# Altium PCB DC Battery Capacity Tester V1.2.PcbDoc (part 2 of 2)
Units mm, origin at the board's own origin, x right, y up, seen from the top; angles counter-clockwise.
Board outline 180.24 x 170.15 mm, 4 copper layers (SIG1, GND, PWR, SIG2), stack 1.746 mm thick; 140 components, 125 nets, 557 pads, 492 vias.
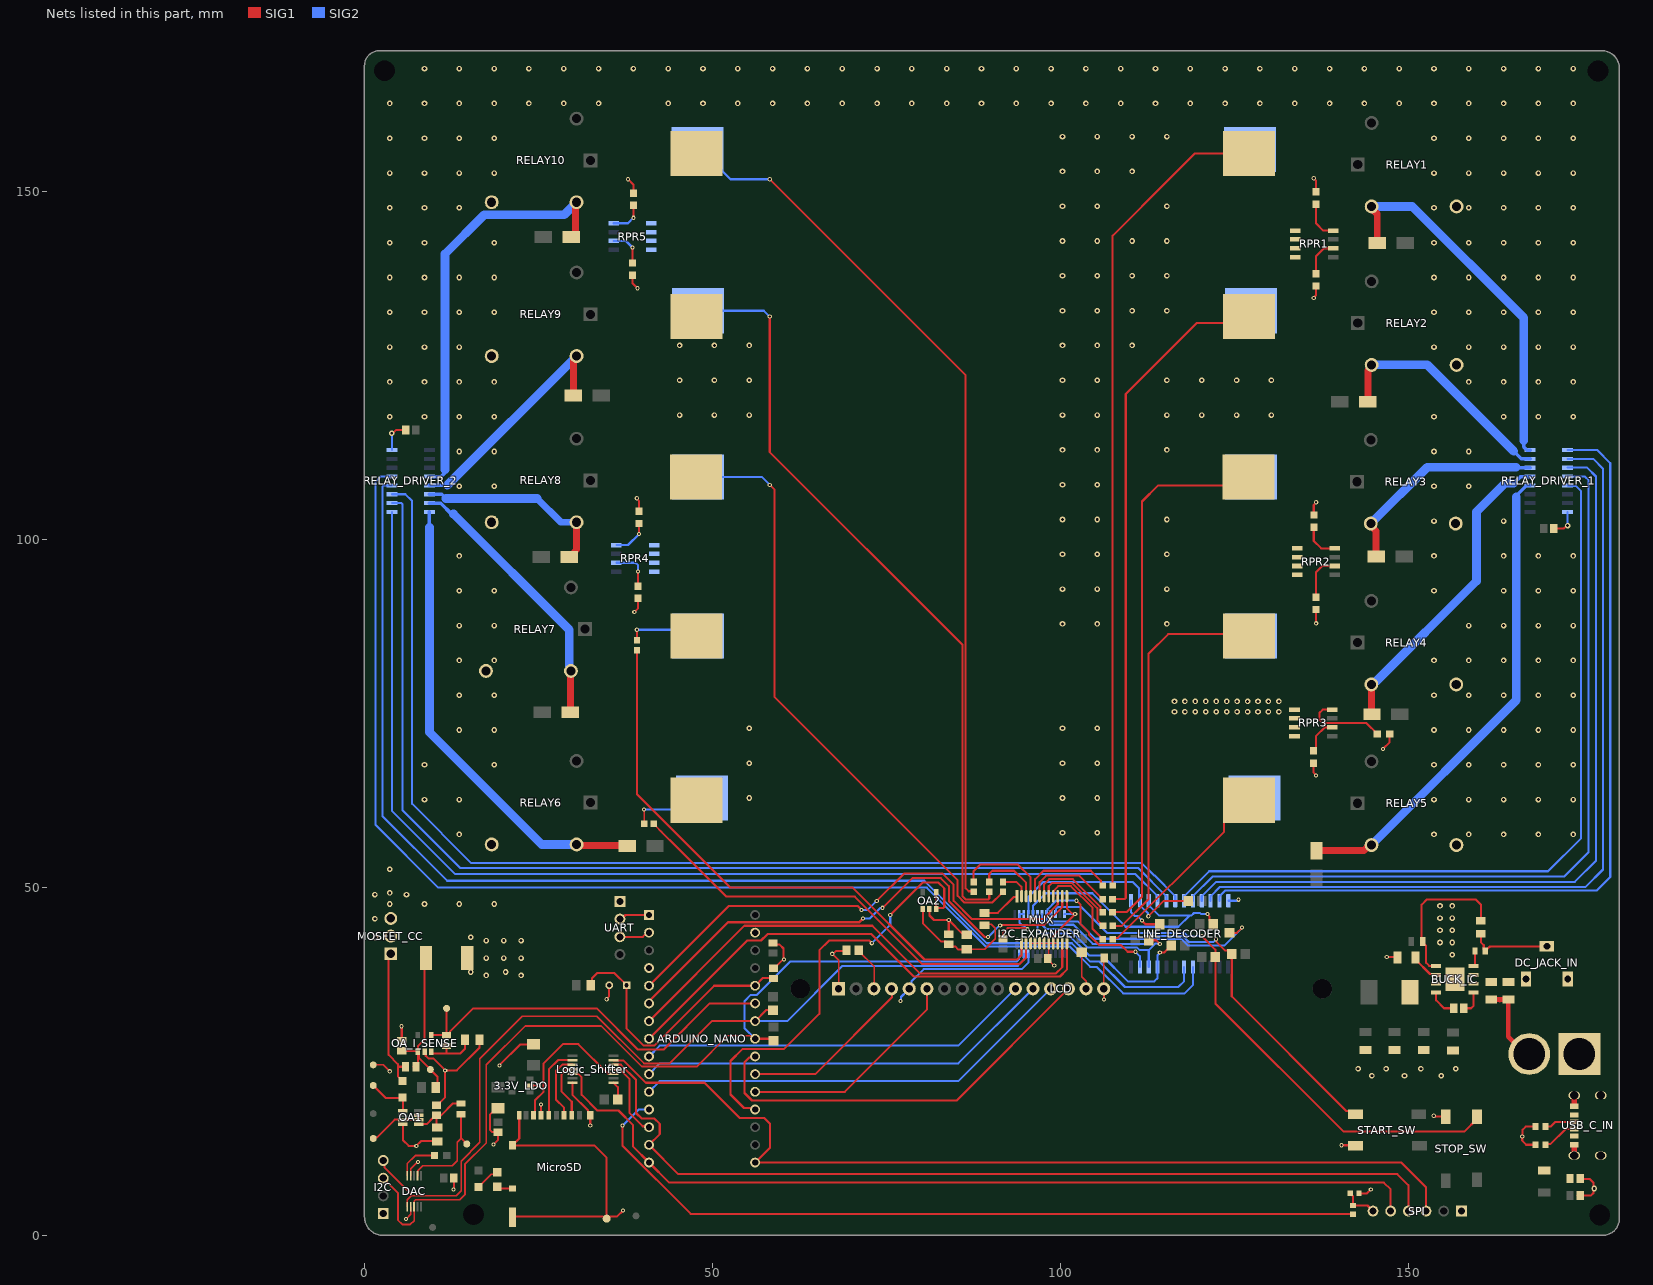
[diagram p4: the nets of this part, all layers, seen from the top]

## Via types
v1: diameter 0.8, hole 0.4, SIG1 to SIG2, 396 vias
v2: diameter 0.6, hole 0.3, SIG1 to SIG2, 87 vias
v3: diameter 1.27, hole 0.711, SIG1 to SIG2, 9 vias

## Nets (pads, with @x,y where several pads share a name; then routed paths per layer and width w, separated by ;. In a path a pad name is that pad's centre, name@x,y a point inside that pad or via, vN(x,y) a via of type N, cw(c..) or ccw(c..) an arc to the next point about the centre after c; other vN are vias at no path point) (continued)
GND: 3.3V_LDO.2 ARDUINO_NANO.4 ARDUINO_NANO.29 BUCK_IC.7 BUCK_IC.9 C1.1 C2.1 C4.2 C5.2 C6.2 C7.2 C8.2 C9.2 C10.2 C11.2 C12.1 C14.2 C15.2 C16.2 C17.2 C18.1 C19.1 C20.1 C21.1 C22.1 C23.2 C24.1 C25.1 CELL1.1 CELL2.1 CELL3.1 CELL4.1 CELL5.1 CELL6.1 CELL7.1 CELL8.1 CELL9.1 CELL10.1 DAC.4 DAC.7 DC_JACK_IN.2 DC_JACK_IN.3 I2C.1 I2C_EXPANDER.2 I2C_EXPANDER.3 I2C_EXPANDER.12 I2C_EXPANDER.21 LCD.1 LCD.5 LCD.16 LINE_DECODER.12 Logic_Shifter.7 MicroSD.6 MicroSD.9 MicroSD.11 MicroSD.12 MicroSD.13 MicroSD.14 MUX.12 MUX.15 MUX.16 MUX.17 MUX.18 MUX.19 MUX.20 MUX.21 NTC.2 OA1.4 OA2.2 OA_I_SENSE.2 pad.GND R2.1 R3.1 R4.1 R9.1 R11.1 R17.1 R18.2 R20.1 R22.2 R23.2 R24.2 R25.2 R26.2 R27.2 R28.2 R29.2 R30.2 R31.2 R43.1 RELAY_DRIVER_1.8 RELAY_DRIVER_2.8 SHUNT.2 SPI.1 START_SW.3 STOP_SW.3 UART.1 USB_C_IN.1 USB_C_IN.2 USB_C_IN.3 USB_C_IN.4 USB_C_IN.A12 USB_C_IN.B12 XT60.N | length 259.8
  SIG1 w0.25: pad.GND@1.257,24.482 2.698,24.482 v2(3.623,23.556) ; v2(5.982,2.339) 6.642,2.999 DAC.7@6.642,4.109 ; DAC.4@6.642,8.541 6.652,8.552 6.652,9.536 v2(7.663,10.547) ; LCD.1@68.127,35.414 68.127,39.492 v2(67.187,40.432) 67.282,40.432 67.674,40.825 69.142,40.825 R2.1@69.246,40.928 ; C12.1@91.712,42.578 91.712,43.471 92.37,44.129 94.97,44.129 95.145,43.954 v2(95.24,43.954) ; MUX.21@95.682,41.956 MUX.20@96.332,41.956 MUX.19@96.982,41.956 MUX.18@97.632,41.956 MUX.17@98.282,41.956 ; v2(99.079,38.757) 99.026,38.757 98.15,39.633 C18.1@98.15,39.758 98.282,39.891 MUX.17@98.282,41.956 ; MUX.15@99.582,41.956 MUX.16@98.932,41.956 MUX.17@98.282,41.956 ; LCD.16@106.186,35.414 106.186,39.751 C23.2@106.275,39.84
  SIG1 w0.3: v1(3.929,115.197) 4.065,115.197 4.565,115.697 C19.1@5.904,115.697 ; v2(5.312,30.024) 5.348,29.988 C16.2@5.348,27.982 ; OA1.4@5.508,15.97 5.508,13.686 6.345,12.849 v2(7.442,12.849) ; v2@7.404,12.81 v2(7.442,12.849) ; OA_I_SENSE.2@8.625,26.382 8.8,26.207 8.8,25.781 9.168,25.413 9.856,25.413 v2(11.588,23.682) ; C17.2@10.323,18.699 10.448,18.699 11.588,19.838 v2(11.588,23.682) ; R17.1@10.461,13.552 8.145,13.552 v2(7.442,12.849) ; v2(12.763,6.598) 12.763,6.652 12.838,6.727 C15.2@12.838,8.217 ; R18.2@16.495,28.082 16.495,26.913 13.264,23.682 v2(11.588,23.682) ; v2(18.514,13.025) 19.164,13.675 C20.1@19.164,14.807 19.146,14.825 18.364,14.825 18.014,15.175 18.014,17.299 18.964,18.249 C21.1@19.164,18.249 ; v2(19.383,24.409) 22.405,27.432 C22.1@24.275,27.432 ; MicroSD.13@21.275,2.575 21.375,2.675 34.275,2.675 34.561,2.389 MicroSD.14@34.789,2.389 ; MicroSD.12@21.275,12.925 32.977,12.925 34.789,11.114 MicroSD.14@34.789,2.389 ; MicroSD.12@21.275,13.025 21.625,13.375 21.687,13.375 22.225,13.913 MicroSD.9@22.225,17.225 ; 3.3V_LDO.2@23.787,21.51 23.804,21.526 25.009,21.526 v2(25.025,21.542) ; v2(25.342,18.775) 25.358,18.758 25.358,17.242 MicroSD.6@25.375,17.225 ; Logic_Shifter.7@29.865,21.909 29.865,20.209 32.075,17.999 32.075,17.575 MicroSD.11@32.425,17.225 ; v2(32.425,15.761) MicroSD.11@32.425,17.125 ; v2(34.789,33.904) 34.789,33.958 35.15,34.319 NTC.2@35.15,35.922 ; v2(37.143,3.561) 36.257,2.675 35.075,2.675 MicroSD.14@34.789,2.389 ; v2(37.871,151.689) 38.623,150.937 R22.2@38.623,149.709 ; R27.2@38.503,137.905 38.503,136.757 v2(39.218,136.042) ; v2(38.76,89.51) 39.296,90.045 R30.2@39.296,91.487 ; v2(39.116,105.867) 39.116,105.786 39.446,105.456 R24.2@39.446,104.006 ; C24.1@58.701,41.998 58.938,41.762 59.625,41.762 60.193,41.194 60.193,39.68 v2(60.249,39.624) 60.191,39.567 60.064,39.567 58.846,38.349 C25.1@58.721,38.349 ; OA2.2@81.153,46.858 81.153,45.933 81.798,45.288 v2(83.922,45.288) ; C4.2@83.922,43.29 v2(83.922,45.288) ; R11.1@85.949,43.261 v2(83.922,45.288) ; MUX.16@98.932,41.956 98.954,41.978 98.954,43.021 v2(102.087,46.154) 102.033,46.208 101.68,46.208 100.882,47.005 MUX.12@100.882,48.707 ; v2(106.227,33.851) LCD.16@106.227,35.414 ; R28.2@136.296,67.831 136.296,66.488 136.677,66.107 v2(136.677,66.053) ; v2(136.347,134.63) 136.347,134.684 136.677,135.014 R31.2@136.677,136.36 ; v2(136.347,151.841) 136.347,151.787 136.677,151.457 R26.2@136.677,149.873 ; R25.2@136.357,103.462 136.357,104.898 136.703,105.244 v2(136.703,105.298) ; R29.2@136.677,89.891 136.703,89.866 v2(136.703,87.909) ; v2(140.336,12.932) 142.285,12.932 START_SW.3@142.343,12.873 ; R43.1@142.867,6.02 143.999,6.02 v2(144.549,6.57) ; v2(146.304,69.875) 147.244,70.815 R23.2@147.244,72.029 ; v2(146.837,39.954) 148.366,39.954 C5.2@148.391,39.929 ; v2(153.594,17.17) 153.648,17.17 153.764,17.055 STOP_SW.3@155.311,17.055 ; R9.1@160.35,43.37 160.35,42.093 160.773,41.671 160.773,41.047 R20.1@160.998,40.822 ; R20.1@160.998,40.947 161.223,41.172 161.348,41.172 161.666,41.49 DC_JACK_IN.3@169.84,41.49 ; v2(166.298,14.215) 166.298,13.588 166.881,13.005 R4.1@168.181,13.005 ; v2@166.356,14.215 166.356,15.159 166.796,15.599 168.156,15.599 R3.1@168.181,15.623 ; C14.2@170.846,101.535 172.276,101.535 172.686,101.945 v1(172.821,101.945) ; C2.1@174.226,5.74 C2.1@174.613,5.74 176.194,5.74 176.535,6.081 176.535,6.622 v1(176.631,6.718) 176.535,6.814 176.535,7.55 175.969,8.116 174.665,8.116 C1.1@174.638,8.144
  SIG1 w0.7: C10.2@161.851,33.865 163.124,33.865 ; 163.073,33.815 163.124,33.865 ; XT60.N@167.31,26.045 166.796,26.045 164.301,28.54 C11.2@164.301,33.865 163.124,33.865
  SIG1 w0.75: USB_C_IN.2@173.781,11.453 USB_C_IN.A12@173.781,13.023 ; USB_C_IN.B12@173.781,18.51 USB_C_IN.B12@173.781,18.523 USB_C_IN.1@173.781,20.093
  SIG2 w0.3: RELAY_DRIVER_2.8@3.929,112.801 v1(3.929,115.197) ; v2@39.116,105.813 v2(39.116,105.867) ; v2(77.013,33.635) 77.07,33.693 77.07,34.238 77.943,35.111 LCD.5@77.943,35.55 ; LCD.5@78.246,35.414 78.548,35.716 78.548,36.462 80.323,38.238 94.422,38.238 95.357,39.172 I2C_EXPANDER.21@95.357,40.458 ; I2C_EXPANDER.3@94.707,46.158 I2C_EXPANDER.2@94.057,46.158 94.057,44.931 94.517,44.471 94.697,44.471 95.214,43.954 v2(95.24,43.954) ; I2C_EXPANDER.12@100.557,46.158 100.562,46.154 v2(102.087,46.154) ; LINE_DECODER.12@124.079,48.058 125.32,48.058 125.471,48.209 v2(125.552,48.209) ; v1(172.821,101.945) RELAY_DRIVER_1.8@172.821,103.911
  other v1: 144.707,22.933 149.39,22.933 154.663,22.933 142.726,23.924 146.747,23.924 151.747,23.924 156.747,23.924 17.491,37.327 22.491,37.327 15.264,37.82 20.264,37.82 17.491,39.827 19.991,39.827 22.491,39.827 156.234,40.311 154.484,42.061 156.234,42.061 17.491,42.327 19.991,42.327 22.491,42.327 15.264,42.82 154.484,43.811 156.234,43.811 154.484,45.561 156.234,45.561 154.484,47.311 156.234,47.311 100.264,57.82 105.264,57.82 55.264,62.82 100.264,62.82 105.264,62.82 55.264,67.82 100.264,67.82 105.264,67.82 55.264,72.82 100.264,72.82 105.264,72.82 100.264,87.82 105.264,87.82 115.264,87.82 100.264,92.82 105.264,92.82 115.264,92.82 100.264,97.82 105.264,97.82 115.264,97.82 100.264,102.82 105.264,102.82 115.264,102.82 100.264,107.82 105.264,107.82 100.264,112.82 105.264,112.82 115.264,112.82 45.264,117.82 50.264,117.82 55.264,117.82 100.264,117.82 105.264,117.82 115.264,117.82 120.264,117.82 125.264,117.82 130.264,117.82 45.264,122.82 50.264,122.82 55.264,122.82 100.264,122.82 105.264,122.82 115.264,122.82 120.264,122.82 125.264,122.82 130.264,122.82 45.264,127.82 50.264,127.82 55.264,127.82 100.264,127.82 105.264,127.82 110.264,127.82 100.264,132.82 105.264,132.82 110.264,132.82 115.264,132.82 100.264,137.82 105.264,137.82 110.264,137.82 115.264,137.82 100.264,142.82 105.264,142.82 110.264,142.82 115.264,142.82 100.264,147.82 105.264,147.82 115.264,147.82 100.264,152.82 105.264,152.82 110.264,152.82 100.264,157.82 105.264,157.82 110.264,157.82 115.264,157.82
I2C_SCL: ARDUINO_NANO.24 DAC.6 I2C.4 I2C_EXPANDER.22 R8.1 | length 129.9
  SIG1 w0.25: I2C.4@2.692,10.744 2.863,10.573 2.863,9.769 6.722,5.91 6.722,5.694 ; DAC.6@6.142,4.109 6.152,4.119 6.152,5.124 6.722,5.694 ; ARDUINO_NANO.24@56.109,30.772 49.9,30.772 43.823,24.695 40.141,24.695 33.357,31.479 22.686,31.479 16.572,25.366 16.572,13.34 13.888,10.656 13.888,6.377 13.204,5.694 6.722,5.694
  SIG1 w0.3: ARDUINO_NANO.24@56.109,30.772 57.674,32.337 R8.1@58.701,32.337
  SIG2 w0.3: ARDUINO_NANO.24@56.109,30.772 60.739,30.772 68.667,38.701 93.831,38.701 94.707,39.577 I2C_EXPANDER.22@94.707,40.458
I2C_SDA: ARDUINO_NANO.23 DAC.8 I2C.3 I2C_EXPANDER.23 R5.1 | length 137
  SIG1 w0.25: I2C.3@2.692,8.204 4.797,6.1 4.797,2.206 5.439,1.564 6.585,1.564 7.132,2.111 7.132,4.099 DAC.8@7.142,4.109 7.152,4.119 7.152,4.929 7.346,5.124 13.698,5.124 14.426,5.851 14.426,10.187 17.491,13.252 17.491,24.479 23.078,30.065 34.021,30.065 39.855,24.232 47.701,24.232 52.145,28.675 55.376,28.675 55.819,28.232 ARDUINO_NANO.23@56.109,28.232
  SIG1 w0.3: ARDUINO_NANO.23@56.109,28.232 58.667,28.232 58.721,28.286 R5.1@58.826,28.286
  SIG2 w0.3: ARDUINO_NANO.23@56.109,28.232 54.585,29.756 54.585,33.635 55.493,34.544 56.379,34.544 61.173,39.338 87.658,39.338 87.677,39.318 89.217,39.318 89.236,39.338 93.651,39.338 93.826,39.513 93.831,39.513 94.007,39.688 94.007,40.408 I2C_EXPANDER.23@94.057,40.458
I_SENSE: "pad.TP_I SENSE" ARDUINO_NANO.25 OA_I_SENSE.4 R16.1 | length 57.3
  SIG1 w0.3: OA_I_SENSE.4@9.575,28.782 R16.1@11.763,28.782 ; 11.794,32.605 11.794,28.813 R16.1@11.763,28.782 ; ARDUINO_NANO.25@56.109,33.312 49.619,33.312 42.989,26.682 41.289,26.682 41.282,26.689 40.456,26.689 40.448,26.682 39.266,26.682 33.342,32.605 15.618,32.605 12.268,29.255 12.268,29.036 12.013,28.782 R16.1@11.763,28.782
I_SENSE_RAW: "pad.TP_I SENSE RAW" C13.2 C16.1 MOSFET_CC.3 OA_I_SENSE.1 R15.2 SHUNT.1 | length 25.1
  SIG1 w0.3: C16.1@5.348,26.482 7.575,26.482 OA_I_SENSE.1@7.675,26.382 ; C13.2@7.042,24.21 7.675,24.844 OA_I_SENSE.1@7.675,26.382 ; SHUNT.1@8.819,39.827 8.59,39.599 8.59,28.046 7.675,27.132 OA_I_SENSE.1@7.675,26.382 ; R15.2@10.488,21.213 10.488,22.775 7.85,25.413 7.85,26.207 OA_I_SENSE.1@7.675,26.382
I_SET: "pad.TP_I SET" OA1.3 OA1.6 OA1.7 | length 8.3
  SIG1 w0.3: 1.257,13.9 1.391,14.034 1.754,14.034 4.339,16.62 OA1.3@5.508,16.62 OA1.6@7.808,16.62 OA1.7@7.808,17.27
LCD_D4: ARDUINO_NANO.9 LCD.11 | length 56.6
  SIG2 w0.3: ARDUINO_NANO.9@40.869,25.692 42.412,27.235 85.307,27.235 LCD.11@93.486,35.414
LCD_D5: ARDUINO_NANO.10 LCD.12 | length 60.2
  SIG2 w0.3: ARDUINO_NANO.10@40.869,23.152 42.412,24.695 85.307,24.695 LCD.12@96.026,35.414
LCD_D6: ARDUINO_NANO.11 LCD.13 | length 63.8
  SIG2 w0.3: ARDUINO_NANO.11@40.869,20.612 42.412,22.155 85.307,22.155 LCD.13@98.566,35.414
LCD_D7: ARDUINO_NANO.22 LCD.14 | length 59.9
  SIG1 w0.3: ARDUINO_NANO.22@56.109,25.692 55.945,25.528 55.236,25.528 54.585,24.876 54.585,20.432 55.657,19.36 85.052,19.36 LCD.14@101.106,35.414
LCD_E: ARDUINO_NANO.20 LCD.6 | length 32.6
  SIG1 w0.3: ARDUINO_NANO.20@56.109,20.612 68.993,20.612 80.827,32.446 LCD.6@80.827,35.414
LCD_RS: ARDUINO_NANO.21 LCD.4 | length 25.4
  SIG1 w0.3: ARDUINO_NANO.21@56.109,23.152 64.732,23.152 75.747,34.167 LCD.4@75.747,35.414
LD_ADR1: I2C_EXPANDER.4 LINE_DECODER.2 RPU1.1 | length 30.8
  SIG1 w0.3: v2(112.59,45.828) 114.805,48.044 RPU1.1@118.324,48.044
  SIG2 w0.3: I2C_EXPANDER.4@95.357,46.158 95.357,48.602 97.53,50.775 110.312,50.775 111.276,49.811 111.276,48.162 LINE_DECODER.2@111.379,48.058 111.379,47.408 112.551,46.236 112.551,45.867 v2(112.59,45.828)
LD_ADR2: I2C_EXPANDER.5 LINE_DECODER.3 RPU2.1 | length 38.8
  SIG1 w0.3: v2(121.095,46.134) 121.095,46.052 121.399,45.749 121.399,45.204 RPU2.1@121.924,44.679
  SIG2 w0.3: I2C_EXPANDER.5@96.007,46.158 96.007,47.299 97.848,49.139 104.532,49.139 109.348,44.323 116.909,44.323 118.509,45.923 ; LINE_DECODER.3@112.649,48.058 112.649,47.408 114.134,45.923 118.509,45.923 ; v2(121.095,46.134) 120.167,46.134 120.002,46.298 119.155,46.298 118.78,45.923 118.509,45.923
LD_ADR3: I2C_EXPANDER.6 LINE_DECODER.21 RPU3.1 | length 28.6
  SIG1 w0.3: v2(114.244,40.603) 114.844,40.603 115.319,41.078 115.369,41.078 115.894,41.603 RPU3.1@115.894,41.653
  SIG2 w0.3: I2C_EXPANDER.6@96.657,46.158 96.657,43.983 97.307,43.333 100.956,43.333 104.106,40.183 105.943,40.183 109.645,36.481 113.436,36.481 113.919,36.964 LINE_DECODER.21@113.919,38.558 113.919,40.224 114.244,40.549 v2(114.244,40.603)
LD_ADR4: I2C_EXPANDER.7 LINE_DECODER.22 RPU4.1 | length 24.6
  SIG1 w0.3: RPU4.1@112.649,42.378 113.719,42.378 v2(114.244,41.853)
  SIG2 w0.3: I2C_EXPANDER.7@97.307,46.158 97.307,44.642 97.966,43.983 101.232,43.983 103.9,41.315 110.984,41.315 111.338,40.962 112.649,40.962 ; LINE_DECODER.22@112.649,38.558 112.649,40.962 ; v2(114.244,41.853) 114.206,41.892 113.579,41.892 112.649,40.962
MicroSD_CS: ARDUINO_NANO.13 Logic_Shifter.11 | length 11.4
  SIG1 w0.3: Logic_Shifter.11@35.765,23.859 35.774,23.85 36.672,23.85 38.081,22.441 38.081,17.542 39.962,15.662 40.739,15.662 ARDUINO_NANO.13@40.869,15.532
MOS_G: "pad.TP_MOS G" OA1.1 R13.2 | length 6.9
  SIG1 w0.3: 1.257,21.51 3.018,19.749 5.37,19.749 R13.2@5.439,19.819 5.508,19.75 OA1.1@5.508,17.92
MOSFET_Temp: ARDUINO_NANO.26 C25.2 NTC.1 R1.1 | length 39.5
  SIG1 w0.3: R1.1@32.522,35.922 32.676,36.076 32.676,36.946 33.415,37.685 35.887,37.685 NTC.1@37.65,35.922 37.65,29.68 40.095,27.235 41.612,27.235 50.229,35.852 ARDUINO_NANO.26@56.109,35.852 57.211,36.955 58.665,36.955 C25.2@58.721,36.899
MUX_ADR0: ARDUINO_NANO.5 MUX.10 | length 71.9
  SIG1 w0.3: ARDUINO_NANO.5@40.869,35.852 52.321,47.305 70.833,47.305 v2(71.394,46.744) ; v2(73.584,48.031) 77.497,51.944 83.035,51.944 84.621,50.358 84.621,48.061 87.25,45.432 97.477,45.432 99.582,47.538 MUX.10@99.582,48.707
  SIG2 w0.3: v2(71.394,46.744) 72.296,46.744 v2(73.584,48.031)
MUX_ADR1: ARDUINO_NANO.6 MUX.11 | length 75.6
  SIG1 w0.3: ARDUINO_NANO.6@40.869,33.312 40.869,33.614 41.228,33.973 41.228,33.989 52.21,44.971 71.095,44.971 71.095,45 v2(71.607,45.512) ; v2(74.422,47.041) 78.689,51.308 82.778,51.308 83.936,50.15 83.936,48.023 89.112,42.847 v2(89.562,42.847) ; v2(91.312,44.522) 91.334,44.544 97.634,44.544 100.232,47.142 MUX.11@100.232,49.178
  SIG2 w0.3: v2(71.607,45.512) 72.567,45.512 74.064,47.009 74.39,47.009 v2(74.422,47.041) ; v2(89.562,42.847) 89.6,42.847 91.274,44.522 v2(91.312,44.522)
MUX_ADR2: ARDUINO_NANO.7 MUX.14 | length 71.7
  SIG1 w0.3: ARDUINO_NANO.7@40.869,30.772 54.566,44.469 72.93,44.469 79.775,37.624 99.333,37.624 100.232,38.523 MUX.14@100.232,41.956
MUX_ADR3: ARDUINO_NANO.8 MUX.13 | length 73
  SIG1 w0.3: ARDUINO_NANO.8@40.869,28.232 54.976,42.34 56.957,42.34 57.882,43.265 72.826,43.265 78.907,37.184 99.902,37.184 100.882,38.164 MUX.13@100.882,41.956
MUX_OUT: ARDUINO_NANO.19 OA2.3 OA2.4 | length 63.4
  SIG1 w0.3: ARDUINO_NANO.19@56.109,18.072 55.895,18.285 54.511,18.285 52.572,20.225 52.572,25.033 54.272,26.733 60.243,26.733 65.329,31.819 65.329,40.919 66.749,42.34 72.494,42.34 v2(72.873,41.961) ; v2(75.514,46.012) 80.175,50.673 82.436,50.673 83.272,49.837 83.272,47.186 83.096,47.01 82.103,47.01 OA2.4@82.103,49.126
  SIG2 w0.3: v2(72.873,41.961) 75.514,44.602 v2(75.514,46.012)
NetBUCK_IC_1: BUCK_IC.1 C3.2 | length 3.4
  SIG1 w0.3: C3.2@157.907,32.614 158.937,32.614 159.311,32.988 BUCK_IC.1@159.311,34.869
NetBUCK_IC_4: BUCK_IC.4 R20.2 | length 2.3
  SIG1 w0.3: BUCK_IC.4@159.311,38.679 159.368,38.679 159.498,38.808 R20.2@159.498,40.822
NetBUCK_IC_5: BUCK_IC.5 R6.1 R9.2 | length 21.7
  SIG1 w0.3: BUCK_IC.5@153.926,38.679 153.906,38.699 152.941,38.699 152.496,39.144 152.496,41.55 151.846,42.2 151.846,47.479 152.602,48.235 159.634,48.235 160.35,47.518 R9.2@160.35,45.124
NetBUCK_IC_6: BUCK_IC.6 C5.1 | length 4.2
  SIG1 w0.3: C5.1@150.943,39.929 150.943,39.653 153.057,37.538 153.797,37.538 BUCK_IC.6@153.926,37.409
NetBUCK_IC_8: BUCK_IC.8 C3.1 L1.1 | length 4.1
  SIG1 w0.3: BUCK_IC.8@153.926,34.869 153.926,33.744 155.055,32.614 C3.1@156.457,32.614
NetC1_2: C1.2 FB1.2 USB_C_IN.A9 USB_C_IN.B9
NetC4_1: C4.1 OA2.1 R10.1 R11.2 | length 18
  SIG1 w0.25: R11.2@86.506,41.087 89.108,41.087 90.605,42.584 90.605,44.09 90.003,44.693 89.207,44.693 R10.1@89.07,44.556
  SIG1 w0.3: OA2.1@80.203,46.858 80.203,44.845 82.858,42.19 83.547,42.19 84.224,41.513 84.831,41.513 85.306,41.037 R11.2@86.506,41.037
NetC13_1: C13.1 MOSFET_CC.1 R13.1 | length 20.7
  SIG1 w0.3: MOSFET_CC.1@3.778,40.438 3.46,40.119 3.46,25.912 4.786,24.585 4.786,24.21 ; R13.1@5.439,22.169 4.786,22.822 4.786,24.21 ; C13.1@6.242,24.21 4.786,24.21
NetC17_1: C17.1 OA1.5 R14.1 R17.2 | length 9.1
  SIG1 w0.3: OA1.5@7.808,15.97 8.944,15.97 9.823,16.849 9.823,16.874 10.198,17.249 C17.1@10.323,17.249 ; R17.2@10.461,15.487 10.323,15.625 C17.1@10.323,17.249 ; R14.1@13.888,18.93 12.679,18.93 10.998,17.249 C17.1@10.323,17.249
NetCELL1_2: CELL1.2 R36.1 RPR1.5 RPR1.6 | length 117.9
  SIG1 w0.3: R36.1@107.469,50.251 107.469,143.604 115.782,151.917 119.256,155.392 CELL1.2@127.087,155.392
NetCELL2_2: CELL2.2 R35.1 RPR1.7 RPR1.8 | length 96.7
  SIG1 w0.3: R35.1@107.444,48.287 109.171,48.287 109.347,48.463 109.347,120.853 119.516,131.022 126.143,131.022 CELL2.2@127.087,131.966
NetCELL3_2: CELL3.2 R34.1 RPR2.5 RPR2.6 | length 78.6
  SIG1 w0.3: R34.1@107.469,46.464 109.532,46.464 111.674,48.606 111.674,105.4 113.995,107.721 125.754,107.721 CELL3.2@126.96,108.928
NetCELL4_2: CELL4.2 R33.1 RPR2.7 RPR2.8 | length 57.7
  SIG1 w0.3: R33.1@107.479,44.454 108.782,44.454 112.615,48.287 112.615,83.532 115.446,86.363 126.74,86.363 CELL4.2@127.036,86.068
NetCELL5_2: CELL5.2 R32.1 RPR3.7 RPR3.8 | length 28.7
  SIG1 w0.3: R32.1@107.469,42.518 107.666,42.715 108.222,42.715 123.478,57.971 123.478,59.408 126.566,62.497 CELL5.2@127.061,62.497
NetCELL6_2: CELL6.2 R41.1 RPR3.5 RPR3.6 | length 11
  SIG1 w0.25: R41.1@40.167,59.131 v2(40.167,61.143)
  SIG2 w0.3: v2(40.167,61.143) 46.83,61.143 CELL6.2@48.501,62.814
  other v1: 116.347,75.189 117.847,75.189 119.347,75.189 120.847,75.189 122.347,75.189 123.847,75.189 125.347,75.189 126.847,75.189 128.347,75.189 129.847,75.189 131.347,75.189 116.347,76.689 117.847,76.689 119.347,76.689 120.847,76.689 122.347,76.689 123.847,76.689 125.347,76.689 126.847,76.689 128.347,76.689 129.847,76.689 131.347,76.689
NetCELL7_2: CELL7.2 R40.1 RPR4.7 RPR4.8 | length 10.7
  SIG1 w0.3: v2(39.116,86.978) 39.116,85.487 R40.1@39.141,85.462
  SIG2 w0.3: v2(39.116,86.978) 47.019,86.978 CELL7.2@47.931,86.066
NetCELL8_2: CELL8.2 R39.1 RPR4.5 RPR4.6 | length 88.5
  SIG1 w0.3: v2(58.217,107.798) 58.903,107.112 58.903,77.296 85.208,50.99 85.208,48.757 86.162,47.803 90.179,47.803 91.383,49.007 91.406,49.007 91.712,49.313 R39.1@91.712,49.336
  SIG2 w0.3: CELL8.2@47.931,108.951 57.063,108.951 v2(58.217,107.798)
NetCELL9_2: CELL9.2 R38.1 RPR5.7 RPR5.8 | length 110.4
  SIG1 w0.3: v2(58.217,131.966) 58.217,112.497 85.907,84.807 85.907,48.681 86.344,48.243 89.562,48.243 89.738,48.419 R38.1@89.738,49.336
  SIG2 w0.3: CELL9.2@47.931,132.806 57.376,132.806 v2(58.217,131.966)
NetCELL10_2: CELL10.2 R37.1 RPR5.5 RPR5.6 | length 127
  SIG1 w0.3: v2(58.217,151.689) 86.347,123.559 86.347,49.856 86.777,49.426 87.433,49.426 R37.1@87.507,49.352
  SIG2 w0.3: CELL10.2@47.816,155.956 48.311,155.956 52.578,151.689 v2(58.217,151.689)
NetD1_1: D1.1 RELAY1.2 RELAY_DRIVER_1.16 | length 53.7
  SIG1 w1: RELAY1.2@144.673,147.788 144.673,147.518 145.472,146.719 D1.1@145.472,142.545
  SIG2 w0.5: 166.506,114.113 166.506,113.241 166.946,112.801 RELAY_DRIVER_1.16@167.421,112.801
  SIG2 w1.25: RELAY1.2@144.673,147.788 150.509,147.788 166.506,131.792 166.506,114.113
NetD2_1: D2.1 RELAY2.2 RELAY_DRIVER_1.15 | length 33.9
  SIG1 w1: D2.1@144.113,119.736 144.113,124.199 144.673,124.759 RELAY2.2@144.673,125.03
  SIG2 w0.5: 165.1,112.606 166.175,111.531 RELAY_DRIVER_1.15@167.421,111.531
  SIG2 w1.25: RELAY2.2@144.673,125.03 152.677,125.03 165.1,112.606
NetD3_1: D3.1 RELAY3.2 RELAY_DRIVER_1.14 | length 31.3
  SIG1 w1: RELAY3.2@144.546,102.242 144.546,101.971 145.325,101.192 D3.1@145.325,97.522
  SIG2 w0.5: 165.415,110.331 165.485,110.261 RELAY_DRIVER_1.14@167.421,110.261
  SIG2 w1.25: RELAY3.2@144.546,102.242 152.636,110.331 165.415,110.331
NetD4_1: D4.1 RELAY4.2 RELAY_DRIVER_1.13 | length 45.3
  SIG1 w1: RELAY4.2@144.623,79.132 144.668,79.086 144.668,74.882 D4.1@144.714,74.836
  SIG2 w0.5: 165.1,108.021 166.07,108.991 RELAY_DRIVER_1.13@167.421,108.991
  SIG2 w1.25: RELAY4.2@144.623,79.132 144.826,79.132 145.201,79.507 145.268,79.507 159.741,93.98 159.741,103.937 163.825,108.021 165.1,108.021
NetD5_1: D5.1 RELAY5.2 RELAY_DRIVER_1.12 | length 69.6
  SIG1 w1: D5.1@136.754,55.264 143.58,55.264 144.377,56.061 RELAY5.2@144.648,56.061
  SIG2 w0.5: 165.45,106.1 165.45,106.225 166.946,107.721 RELAY_DRIVER_1.12@167.421,107.721